# Altium PCB CurrentTransducers_Corfo_v2.PcbDoc (part 1 of 2)
Units mil, origin at the board's own origin, x right, y up, seen from the top; angles counter-clockwise.
Board outline 7874.02 x 4409.45 mil, 4 copper layers (Top Layer, POWER, GND, Bottom Layer), stack 23.756 mil thick; 132 components, 72 nets, 377 pads, 93 vias.
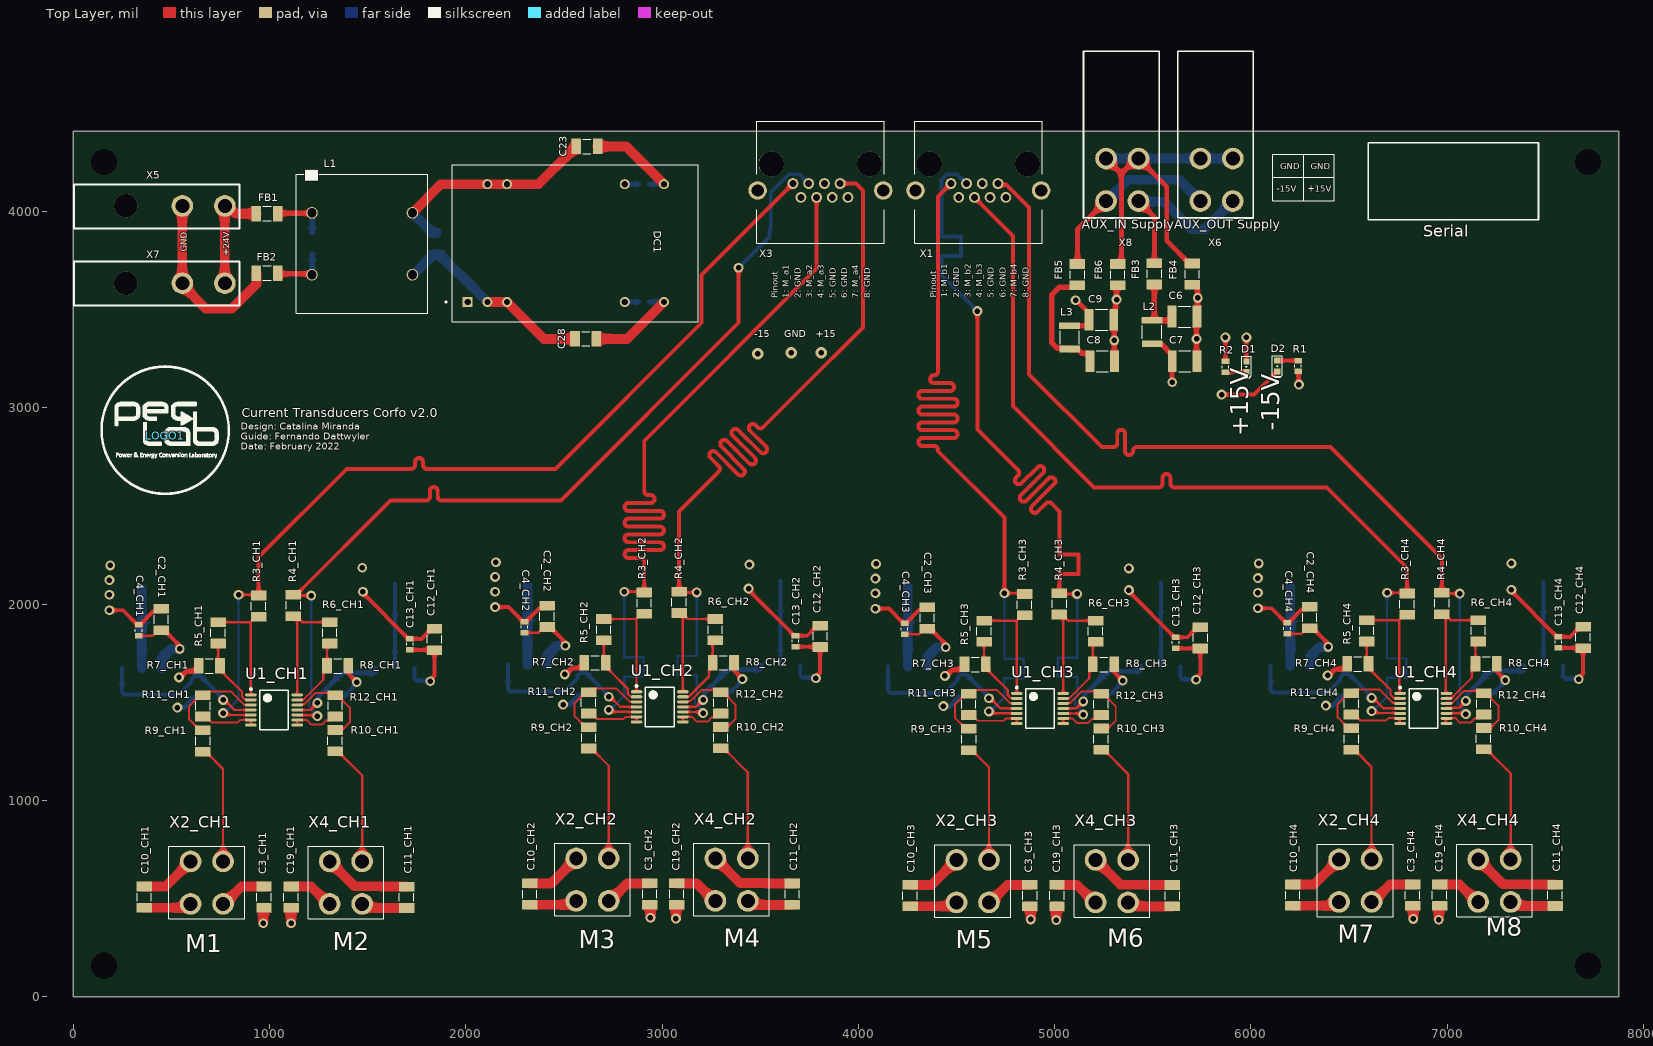
[diagram p0: Top Layer view]
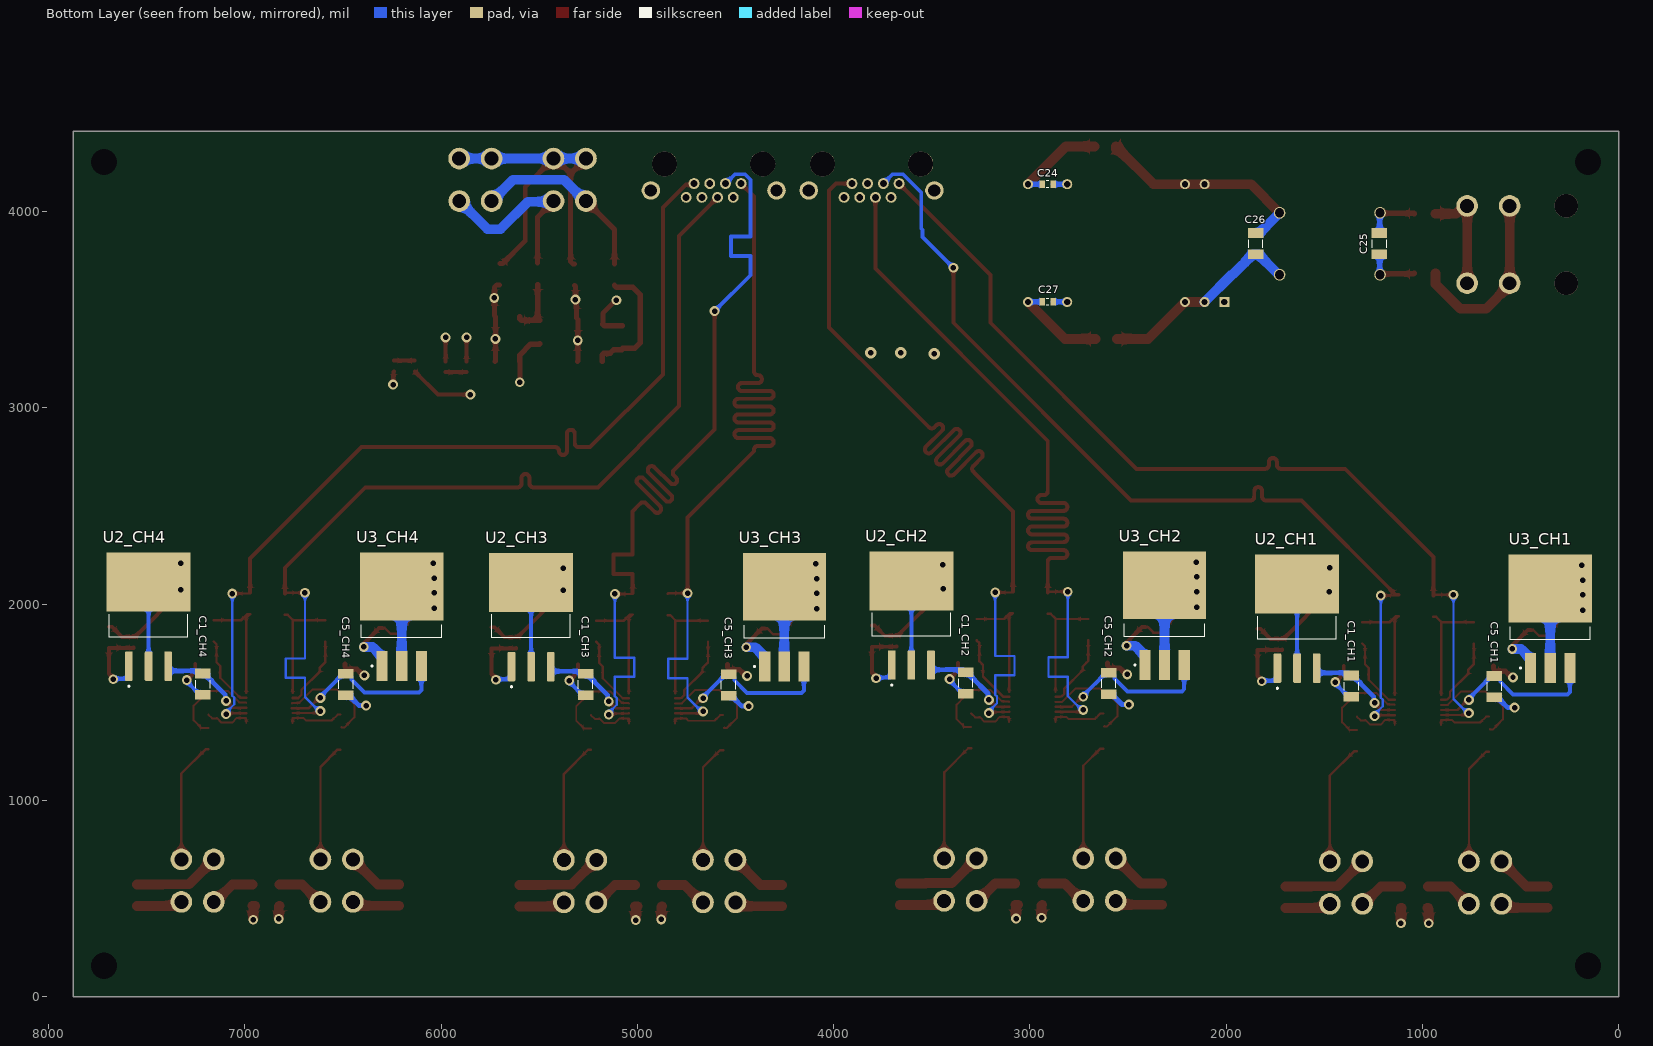
[diagram p1: Bottom Layer view, seen from below]
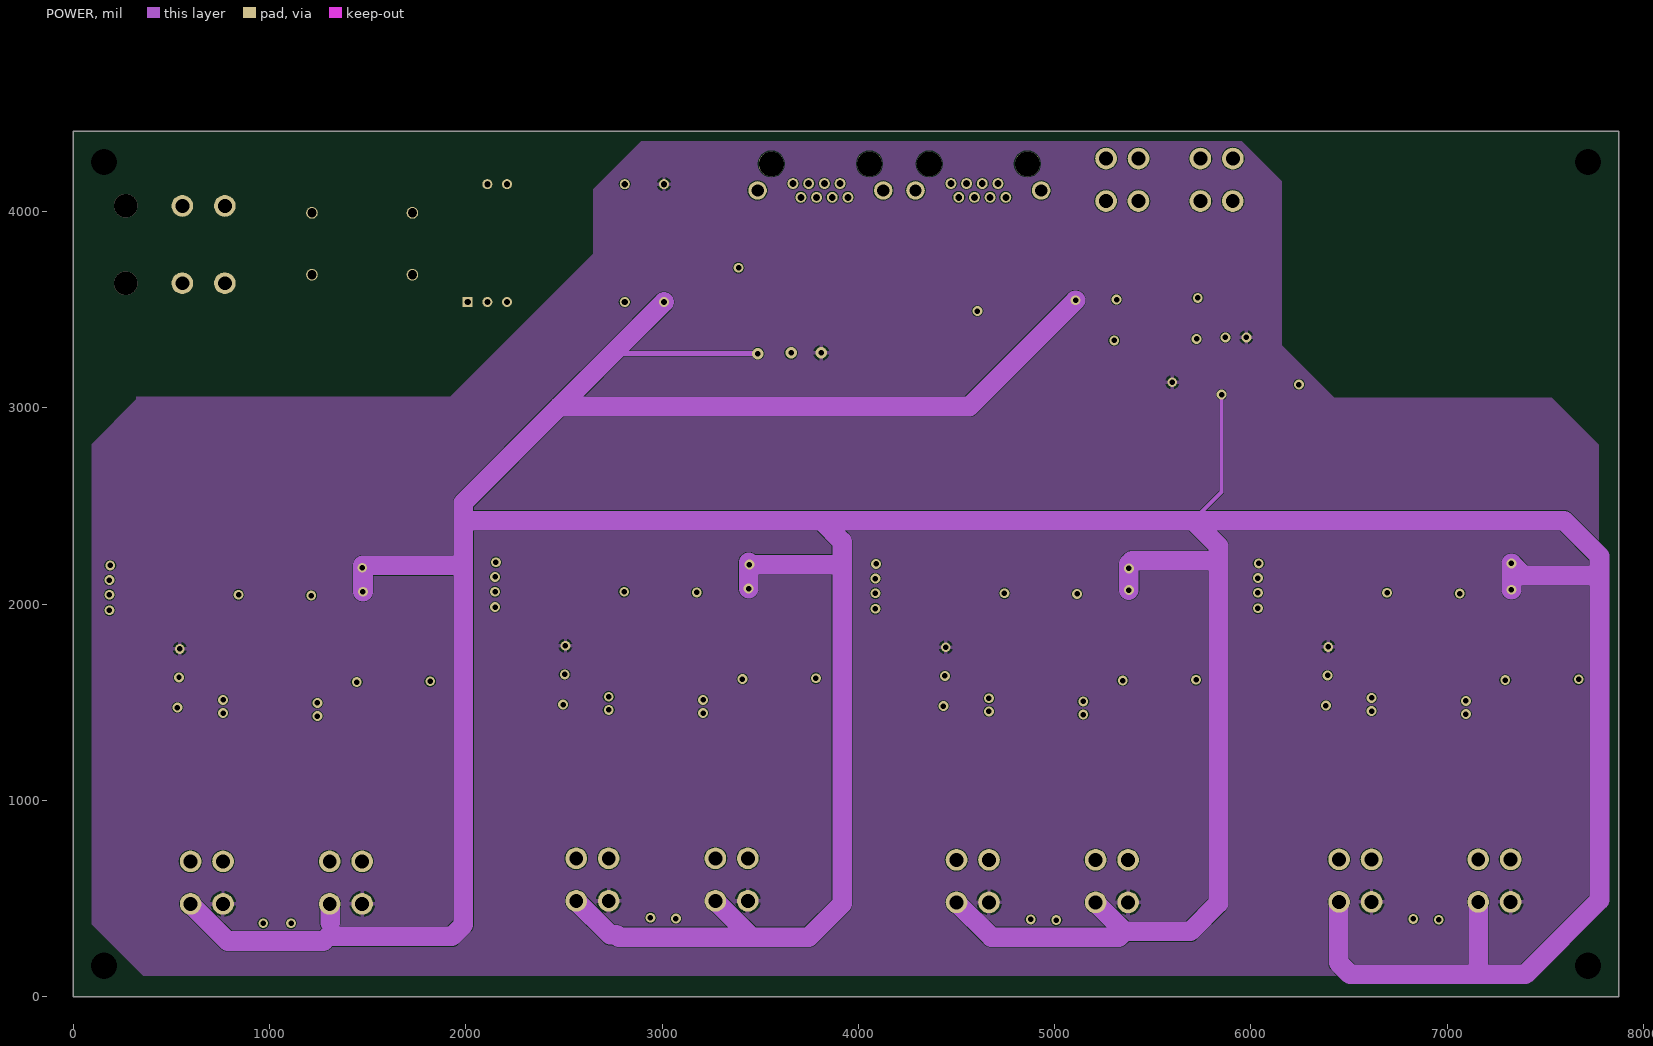
[diagram p2: POWER]
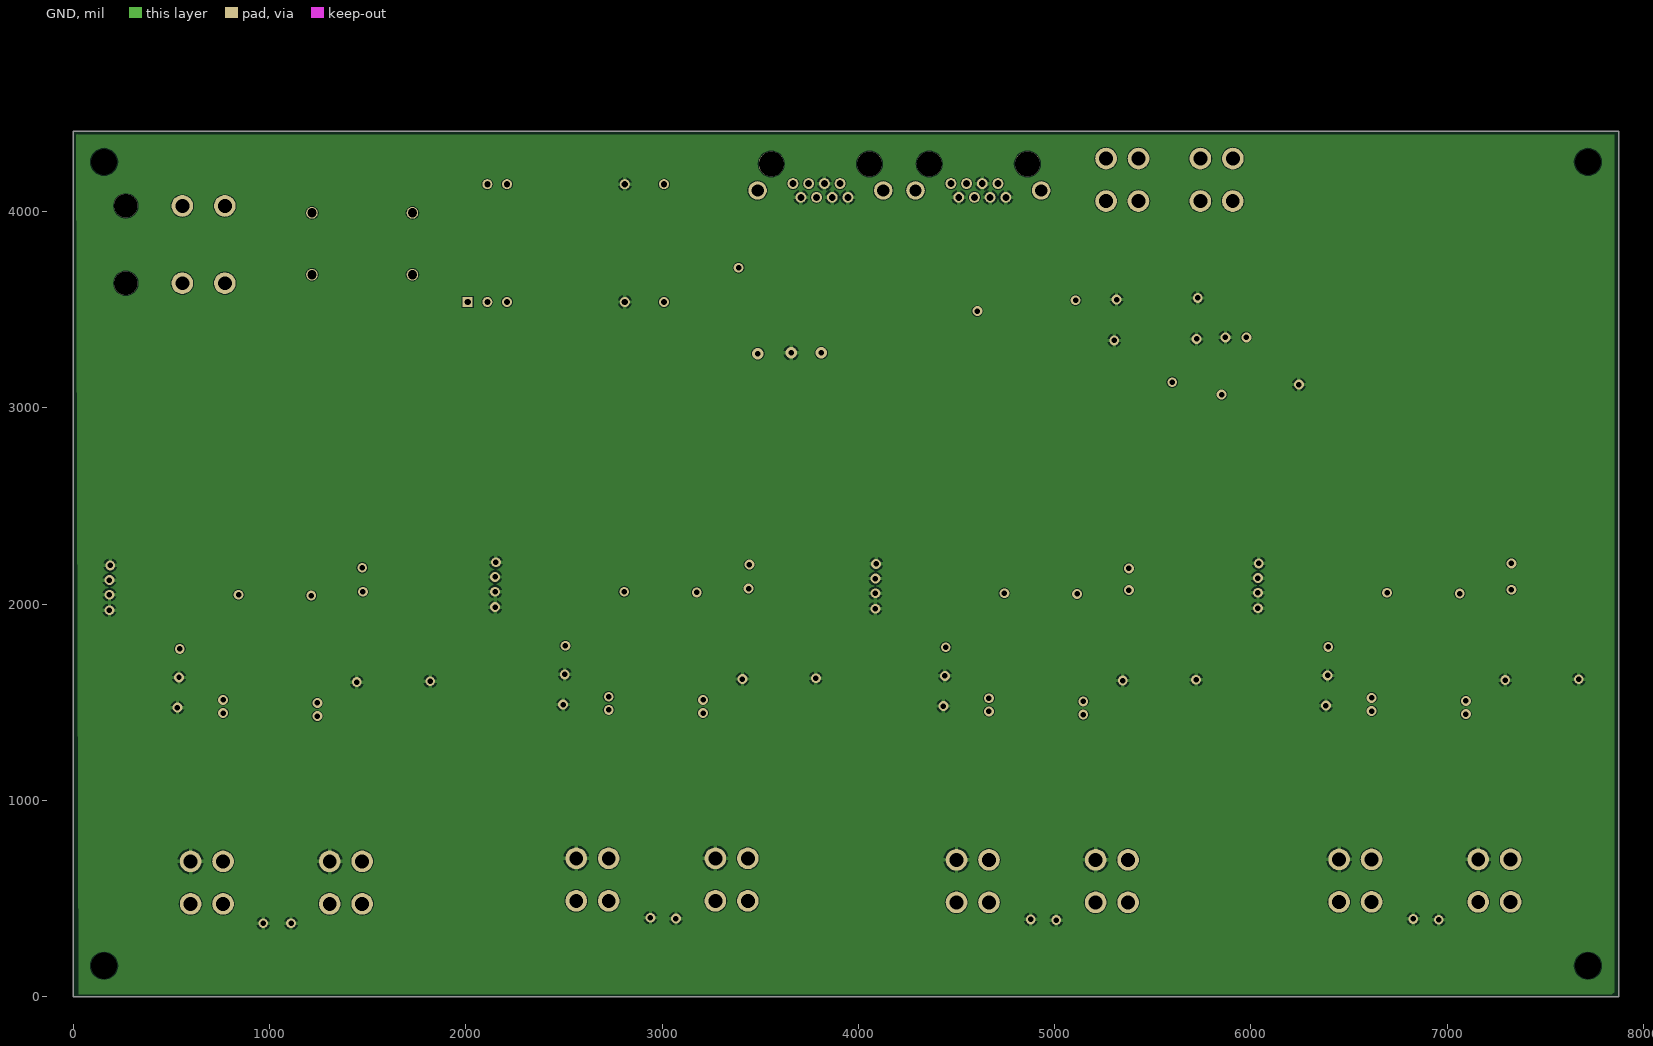
[diagram p3: GND]
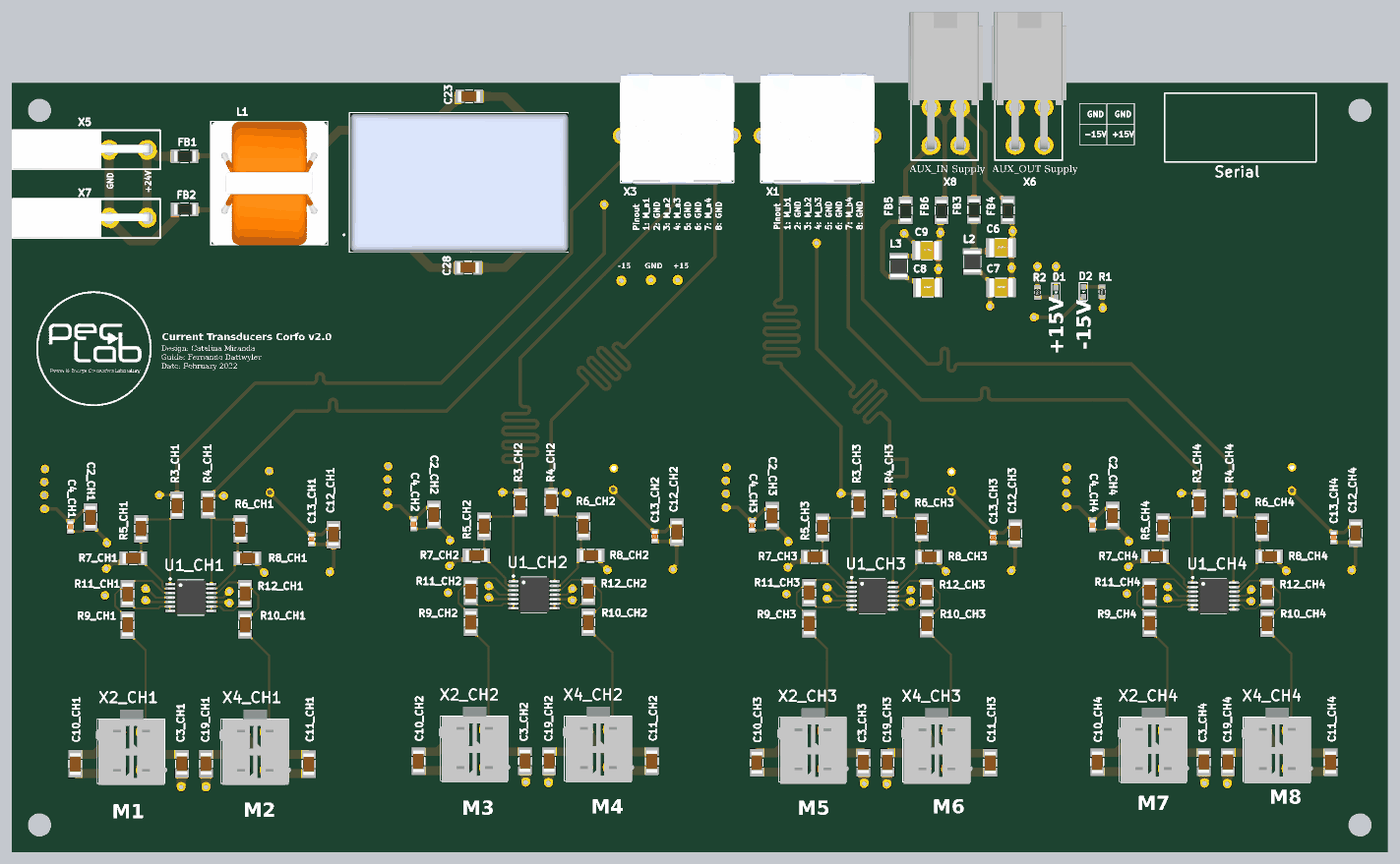
[diagram p5: 3D render of the assembled board from above, using the file's embedded part models]
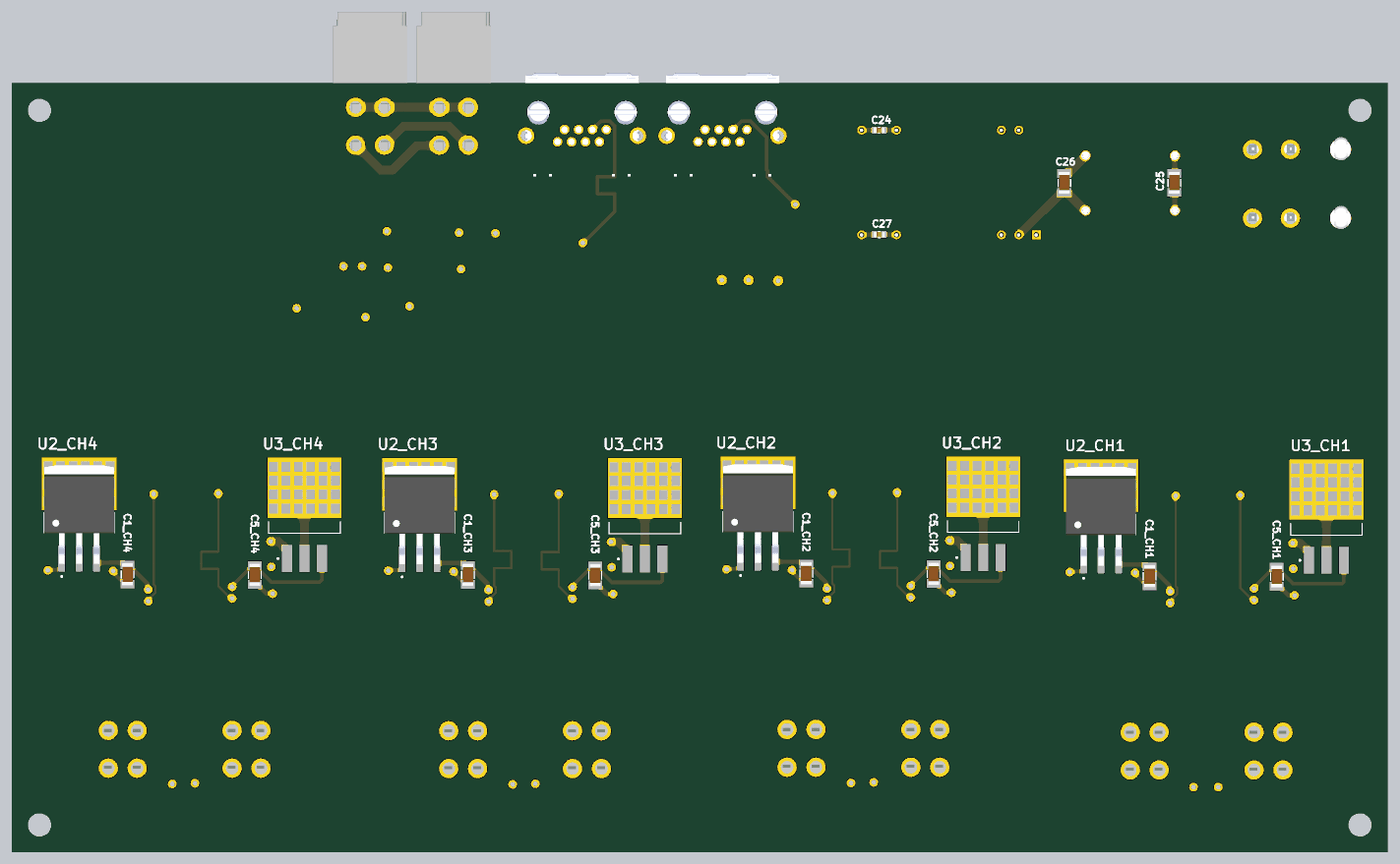
[diagram p6: 3D render of the assembled board from below, using the file's embedded part models]

## Layer stack, top to bottom
Top Solder: solder mask 0.4, Solder Resist, Dk 3.5
Top Layer: signal copper 1.4
Dielectric 2: prepreg 2.8, PP-006, Dk 4.1
POWER: signal copper 1.378
Dielectric 1: dielectric 12.6, FR-4, Dk 4.8
GND: signal copper 1.378
Dielectric 3: prepreg 2.8, PP-006, Dk 4.1
Bottom Layer: signal copper 1.4
Bottom Solder: solder mask 0.4, Solder Resist, Dk 3.5

## Board outline
0,0 7874.02,0 7874.02,4409.45 0,4409.45

## Design rules (kind name [scope] priority, off if disabled: settings)
Clearance [All] p1: gap=3.94 ignorepadtopadclearanceinfootprint=TRUE
HoleSize [All] p1: absolutevalues=TRUE maxlimit=137.8 minlimit=1 maxpercent=80.000 minpercent=20.000
MatchedLengths MatchedLengths_1 [InNetClass('Measure_a[1..4]')] p1: tolerance=39.37 checknetsindiffpair=FALSE checkdiffpairvsdiffpair=TRUE checkxsignals=TRUE checkothers=TRUE
MatchedLengths [InNetClass('Measure_b[1..4]')] p2: tolerance=39.37 checknetsindiffpair=FALSE checkdiffpairvsdiffpair=TRUE checkxsignals=TRUE checkothers=TRUE
MinimumSolderMaskSliver MinimumSolderMaskSliver_1 [HasFootprint('OPAx172') vs HasFootprint('OPAx172')] p1: minsoldermaskwidth=0.39
MinimumSolderMaskSliver [All] p2: minsoldermaskwidth=3.94
PlaneConnect [All] p1: planeconnectstyle=Relief reliefexpansion=20 reliefentries=4 reliefconductorwidth=19.68 reliefairgap=10
PolygonConnect [All] p1: connectstyle=Relief reliefconductorwidth=19.68 reliefentries=4 polygonreliefangle="90 Angle" airgapwidth=10
RoomDefinition CH2 [InComponentClass('CH2')] p1: confinementstyle=ConfineIn formatcopy=TRUE lockcomponents=FALSE outline 1964.57,15.75 3877.95,15.75 3877.95,2440.94 1964.57,2440.94
RoomDefinition CH1 [InComponentClass('CH1')] p2: confinementstyle=ConfineIn formatcopy=TRUE lockcomponents=FALSE outline 0,0 1913.39,0 1913.39,2425.2 0,2425.2
RoomDefinition CH4 [InComponentClass('CH4')] p3: confinementstyle=ConfineIn formatcopy=TRUE lockcomponents=FALSE outline 5850.39,10.24 7763.78,10.24 7763.78,2435.43 5850.39,2435.43
RoomDefinition CH3 [InComponentClass('CH3')] p4: confinementstyle=ConfineIn formatcopy=TRUE lockcomponents=FALSE outline 3901.57,7.87 5814.96,7.87 5814.96,2433.07 3901.57,2433.07
RoutingVias [All] p1: holewidth=28 width=50 viastyle="Through Hole" minholewidth=28 minwidth=50 maxholewidth=28 maxwidth=50
SilkToSilkClearance SilkToSilkClearance_1 [All] p1: silktosilkclearance=3.94
SilkToSilkClearance [HasFootprint('OPAx172') vs HasFootprint('OPAx172')] p2: silktosilkclearance=1.97
SilkToSolderMaskClearance [IsPad] p1: minsilkscreentomaskgap=3.94 clearancetoexposedcopper=TRUE
SolderMaskExpansion [All] p1: expansion=4 istentingtop=FALSE
Width [All] p1: maxlimit=157.48 minlimit=3.94 preferedwidth=27.56
25 further rules are at their usual default settings.

## Classes and differential pairs
net class Measure_b[1..4]: Measure_b1 Measure_b2 Measure_b3 Measure_b4
net class Measure_a[1..4]: Measure_a1 Measure_a2 Measure_a3 Measure_a4
channel class Transducer: CH1 CH2 CH3 CH4
component class PowerSupply: C6 C7 C8 C9 C23 C24 C25 C26 C27 C28 D1 D2 DC1 FB1 FB2 FB3 FB4 FB5 FB6 L1 L2 L3 R1 R2 X5 X6 X7 X8
component class "Current Measurement": *1 LOGO1 Serial X1 X3
component class CH4: C1_CH4 C2_CH4 C3_CH4 C4_CH4 C5_CH4 C10_CH4 C11_CH4 C12_CH4 C13_CH4 C19_CH4 R3_CH4 R4_CH4 R5_CH4 R6_CH4 R7_CH4 R8_CH4 R9_CH4 R10_CH4 R11_CH4 R12_CH4 U1_CH4 U2_CH4 U3_CH4 X2_CH4 X4_CH4
component class CH3: C1_CH3 C2_CH3 C3_CH3 C4_CH3 C5_CH3 C10_CH3 C11_CH3 C12_CH3 C13_CH3 C19_CH3 R3_CH3 R4_CH3 R5_CH3 R6_CH3 R7_CH3 R8_CH3 R9_CH3 R10_CH3 R11_CH3 R12_CH3 U1_CH3 U2_CH3 U3_CH3 X2_CH3 X4_CH3
component class CH2: C1_CH2 C2_CH2 C3_CH2 C4_CH2 C5_CH2 C10_CH2 C11_CH2 C12_CH2 C13_CH2 C19_CH2 R3_CH2 R4_CH2 R5_CH2 R6_CH2 R7_CH2 R8_CH2 R9_CH2 R10_CH2 R11_CH2 R12_CH2 U1_CH2 U2_CH2 U3_CH2 X2_CH2 X4_CH2
component class CH1: C1_CH1 C2_CH1 C3_CH1 C4_CH1 C5_CH1 C10_CH1 C11_CH1 C12_CH1 C13_CH1 C19_CH1 R3_CH1 R4_CH1 R5_CH1 R6_CH1 R7_CH1 R8_CH1 R9_CH1 R10_CH1 R11_CH1 R12_CH1 U1_CH1 U2_CH1 U3_CH1 X2_CH1 X4_CH1

## Components (designator, comment, footprint, x,y, rotation, side; value= is the part's Value field where it differs from the comment)
C1_CH1 "1uF" CAP_1206 1361.81,1636.6 r180 bottom (schematic designator C1)
C1_CH2 "1uF" CAP_1206 3326.37,1652.35 r180 bottom (schematic designator C1)
C1_CH3 "1uF" CAP_1206 5263.38,1644.48 r180 bottom (schematic designator C1)
C1_CH4 "1uF" CAP_1206 7212.2,1646.84 r180 bottom (schematic designator C1)
C2_CH1 "1uF" CAP_1206 449.22,1866.53 r180 top (schematic designator C2)
C2_CH2 "1uF" CAP_1206 2413.79,1882.27 r180 top (schematic designator C2)
C2_CH3 "1uF" CAP_1206 4350.79,1874.4 r180 top (schematic designator C2)
C2_CH4 "1uF" CAP_1206 6299.61,1876.76 r180 top (schematic designator C2)
C3_CH1 "1uF" CAP_1206 972.84,561.8 r0 top (schematic designator C3)
C3_CH2 "1uF" CAP_1206 2937.41,577.55 r0 top (schematic designator C3)
C3_CH3 "1uF" CAP_1206 4874.41,569.68 r0 top (schematic designator C3)
C3_CH4 "1uF" CAP_1206 6823.23,572.04 r0 top (schematic designator C3)
C4_CH1 "0.1uF" CAP_0603 334.65,1838.58 r180 top (schematic designator C4)
C4_CH2 "0.1uF" CAP_0603 2299.21,1854.33 r180 top (schematic designator C4)
C4_CH3 "0.1uF" CAP_0603 4236.22,1846.46 r180 top (schematic designator C4)
C4_CH4 "0.1uF" CAP_0603 6185.04,1848.82 r180 top (schematic designator C4)
C5_CH1 "1uF" CAP_1206 633.46,1634.24 r180 bottom (schematic designator C5)
C5_CH2 "1uF" CAP_1206 2598.03,1649.99 r180 bottom (schematic designator C5)
C5_CH3 "1uF" CAP_1206 4535.03,1642.12 r180 bottom (schematic designator C5)
C5_CH4 "1uF" CAP_1206 6483.85,1644.48 r180 bottom (schematic designator C5)
C6 "10uF" CAP_1210 5598.04,3464.97 r90 top
C7 "10uF" CAP_1210 5598.43,3236.62 r90 top
C8 "10uF" CAP_1210 5179.13,3236.62 r90 top
C9 "10uF" CAP_1210 5175.2,3449.22 r90 top
C10_CH1 "1uF" CAP_1206 361.81,452.37 r180 top (schematic designator C10)
C10_CH2 "1uF" CAP_1206 2326.37,468.12 r180 top (schematic designator C10)
C10_CH3 "1uF" CAP_1206 4263.38,460.25 r180 top (schematic designator C10)
C10_CH4 "1uF" CAP_1206 6212.2,462.61 r180 top (schematic designator C10)
C11_CH1 "1uF" CAP_1206 1697.99,451.6 r180 top (schematic designator C11)
C11_CH2 "1uF" CAP_1206 3662.56,467.35 r180 top (schematic designator C11)
C11_CH3 "1uF" CAP_1206 5599.57,459.48 r180 top (schematic designator C11)
C11_CH4 "1uF" CAP_1206 7548.39,461.84 r180 top (schematic designator C11)
C12_CH1 "1uF" CAP_1206 1841.34,1874.4 r0 top (schematic designator C12)
C12_CH2 "1uF" CAP_1206 3805.91,1890.15 r0 top (schematic designator C12)
C12_CH3 "1uF" CAP_1206 5742.92,1882.27 r0 top (schematic designator C12)
C12_CH4 "1uF" CAP_1206 7691.74,1884.64 r0 top (schematic designator C12)
C13_CH1 "0.1uF" CAP_0603 1714.96,1822.83 r0 top (schematic designator C13)
C13_CH2 "0.1uF" CAP_0603 3679.53,1838.58 r0 top (schematic designator C13)
C13_CH3 "0.1uF" CAP_0603 5616.54,1830.71 r0 top (schematic designator C13)
C13_CH4 "0.1uF" CAP_0603 7565.35,1833.07 r0 top (schematic designator C13)
C19_CH1 "1uF" CAP_1206 1110.64,561.8 r0 top (schematic designator C19)
C19_CH2 "1uF" CAP_1206 3075.2,577.55 r0 top (schematic designator C19)
C19_CH3 "1uF" CAP_1206 5012.21,569.68 r0 top (schematic designator C19)
C19_CH4 "1uF" CAP_1206 6961.03,572.04 r0 top (schematic designator C19)
C23 "1000pF" CAP_1206 2562.61,4331.49 r90 top
C24 "0.47pF" CAP_0603 2937.01,4138.18 r90 bottom
C25 "4.7uF" CAP_1206 1219.58,3890.53 r180 bottom
C26 "4.7uF" CAP_1206 1849.99,3890.54 r180 bottom
C27 "0.47pF" CAP_0603 2881.89,3539.76 r270 bottom
C28 "1000pF" CAP_1206 2556.31,3351.18 r90 top
D1 "Blue" LED_0603_Blue 5976.38,3236.22 r0 top
D2 "Blue" LED_0603_Blue 6133.86,3240.16 r0 top
DC1 "THD12-2423" "THD 12-2423" 2547.24,3842.9 r0 top
FB1 "60 Ohm" FB_1206 933.07,3988.97 r90 top
FB2 "60 Ohm" FB_1206 933.07,3685.82 r90 top
FB3 "60 Ohm" FB_1206 5508.27,3736.61 r0 top
FB4 "60 Ohm" FB_1206 5701.19,3735.03 r0 top
FB5 "60 Ohm" FB_1206 5116.5,3732.67 r0 top
FB6 "60 Ohm" FB_1206 5321.23,3732.67 r0 top
L1 "SC-07-04GJ" SC-07-04GJ 1137.8,4189.36 r270 top
L2 "10uH" INDUCTOR_1210 5496.06,3444.88 r0 top
L3 "10uH" INDUCTOR_1210 5076.77,3299.21 r180 top
LOGO1 "Logo_PECLAB" Logo_PECLAB 468.5,2858.27 r0 top
R1 "6.2k" RES_0603 6240.16,3185.04 r180 top
R2 "6.2k" RES_0603 5870.08,3236.22 r0 top
R3_CH1 "200Ohm" CAP_1206 944.48,1934.26 r180 top (schematic designator R3)
R3_CH2 "200Ohm" CAP_1206 2909.05,1950.01 r180 top (schematic designator R3)
R3_CH3 "200Ohm" CAP_1206 4846.06,1942.14 r180 top (schematic designator R3)
R3_CH4 "200Ohm" CAP_1206 6794.88,1944.5 r180 top (schematic designator R3)
R4_CH1 "200Ohm" CAP_1206 1122.45,2047.63 r0 top (schematic designator R4)
R4_CH2 "200Ohm" CAP_1206 3087.01,2063.38 r0 top (schematic designator R4)
R4_CH3 "200Ohm" CAP_1206 5024.02,2055.5 r0 top (schematic designator R4)
R4_CH4 "200Ohm" CAP_1206 6972.84,2057.87 r0 top (schematic designator R4)
R5_CH1 "100kOhm" CAP_1206 738.98,1908.26 r0 top (schematic designator R5)
R5_CH2 "100kOhm" CAP_1206 2703.55,1924.01 r0 top (schematic designator R5)
R5_CH3 "100kOhm" CAP_1206 4640.56,1916.13 r0 top (schematic designator R5)
R5_CH4 "100kOhm" CAP_1206 6589.38,1918.49 r0 top (schematic designator R5)
R6_CH1 "100kOhm" CAP_1206 1306.69,1798.83 r180 top (schematic designator R6)
R6_CH2 "100kOhm" CAP_1206 3271.25,1814.58 r180 top (schematic designator R6)
R6_CH3 "100kOhm" CAP_1206 5208.26,1806.7 r180 top (schematic designator R6)
R6_CH4 "100kOhm" CAP_1206 7157.08,1809.06 r180 top (schematic designator R6)
R7_CH1 "100kOhm" CAP_1206 748.42,1684.64 r270 top (schematic designator R7)
R7_CH2 "100kOhm" CAP_1206 2712.98,1700.39 r270 top (schematic designator R7)
R7_CH3 "100kOhm" CAP_1206 4649.99,1692.51 r270 top (schematic designator R7)
R7_CH4 "100kOhm" CAP_1206 6598.81,1694.88 r270 top (schematic designator R7)
R8_CH1 "100kOhm" CAP_1206 1401.96,1684.64 r270 top (schematic designator R8)
R8_CH2 "100kOhm" CAP_1206 3366.53,1700.39 r270 top (schematic designator R8)
R8_CH3 "100kOhm" CAP_1206 5303.54,1692.51 r270 top (schematic designator R8)
R8_CH4 "100kOhm" CAP_1206 7252.35,1694.88 r270 top (schematic designator R8)
R9_CH1 "100kOhm" CAP_1206 661.82,1357.08 r0 top (schematic designator R9)
R9_CH2 "100kOhm" CAP_1206 2626.38,1372.83 r0 top (schematic designator R9)
R9_CH3 "100kOhm" CAP_1206 4563.39,1364.95 r0 top (schematic designator R9)
R9_CH4 "100kOhm" CAP_1206 6512.21,1367.31 r0 top (schematic designator R9)
R10_CH1 "100kOhm" CAP_1206 1334.25,1249.22 r180 top (schematic designator R10)
R10_CH2 "100kOhm" CAP_1206 3298.81,1264.97 r180 top (schematic designator R10)
R10_CH3 "100kOhm" CAP_1206 5235.82,1257.1 r180 top (schematic designator R10)
R10_CH4 "100kOhm" CAP_1206 7184.64,1259.46 r180 top (schematic designator R10)
R11_CH1 "100kOhm" CAP_1206 661.02,1426.39 r180 top (schematic designator R11)
R11_CH2 "100kOhm" CAP_1206 2625.58,1442.14 r180 top (schematic designator R11)
R11_CH3 "100kOhm" CAP_1206 4562.59,1434.26 r180 top (schematic designator R11)
R11_CH4 "100kOhm" CAP_1206 6511.41,1436.62 r180 top (schematic designator R11)
R12_CH1 "100kOhm" CAP_1206 1335.04,1535.82 r0 top (schematic designator R12)
R12_CH2 "100kOhm" CAP_1206 3299.61,1551.57 r0 top (schematic designator R12)
R12_CH3 "100kOhm" CAP_1206 5236.62,1543.69 r0 top (schematic designator R12)
R12_CH4 "100kOhm" CAP_1206 7185.44,1546.05 r0 top (schematic designator R12)
Serial "Serialnumber 22 x 10mm" Serial_22x10mm 7031.5,4153.54 r180 top
U1_CH1 "OPA4172IPWR" OPAx172 1023.62,1460.63 r0 top (schematic designator U1)
U1_CH2 "OPA4172IPWR" OPAx172 2988.19,1476.38 r0 top (schematic designator U1)
U1_CH3 "OPA4172IPWR" OPAx172 4925.2,1468.5 r0 top (schematic designator U1)
U1_CH4 "OPA4172IPWR" OPAx172 6877.95,1468.5 r0 top (schematic designator U1)
U2_CH1 "LM2990S-12/NOPB" LM2990 1639.37,2030.2 r90 bottom (schematic designator U2)
U2_CH2 "LM2990S-12/NOPB" LM2990 3603.94,2045.94 r90 bottom (schematic designator U2)
U2_CH3 "LM2990S-12/NOPB" LM2990 5540.95,2038.07 r90 bottom (schematic designator U2)
U2_CH4 "LM2990S-12/NOPB" LM2990 7489.76,2040.43 r90 bottom (schematic designator U2)
U3_CH1 "MIC29150-12WU-TR" MIC29150 349.62,2078.82 r90 bottom (schematic designator U3)
U3_CH2 "MIC29150-12WU-TR" MIC29150 2314.19,2094.57 r90 bottom (schematic designator U3)
U3_CH3 "MIC29150-12WU-TR" MIC29150 4251.19,2086.69 r90 bottom (schematic designator U3)
U3_CH4 "MIC29150-12WU-TR" MIC29150 6200.01,2089.05 r90 bottom (schematic designator U3)
X1 "RJ-45 Modulo" RJ45_RJHSE5E80 4471.26,4141.73 r180 top
X2_CH1 "Connector 2x2" 0039310047 874.02,765.75 r180 top (schematic designator X2)
X2_CH2 "Connector 2x2" 0039310047 2838.58,781.5 r180 top (schematic designator X2)
X2_CH3 "Connector 2x2" 0039310047 4775.59,773.62 r180 top (schematic designator X2)
X2_CH4 "Connector 2x2" 0039310047 6724.41,775.98 r180 top (schematic designator X2)
X3 "RJ-45 Modulo" RJ45_RJHSE5E80 3666.93,4141.73 r180 top
X4_CH1 "Connector 2x2" 0039310047 1582.68,765.75 r180 top (schematic designator X4)
X4_CH2 "Connector 2x2" 0039310047 3547.24,781.5 r180 top (schematic designator X4)
X4_CH3 "Connector 2x2" 0039310047 5484.25,773.62 r180 top (schematic designator X4)